# Altium PCB PCB.PcbDoc (part 2 of 4) (continued)
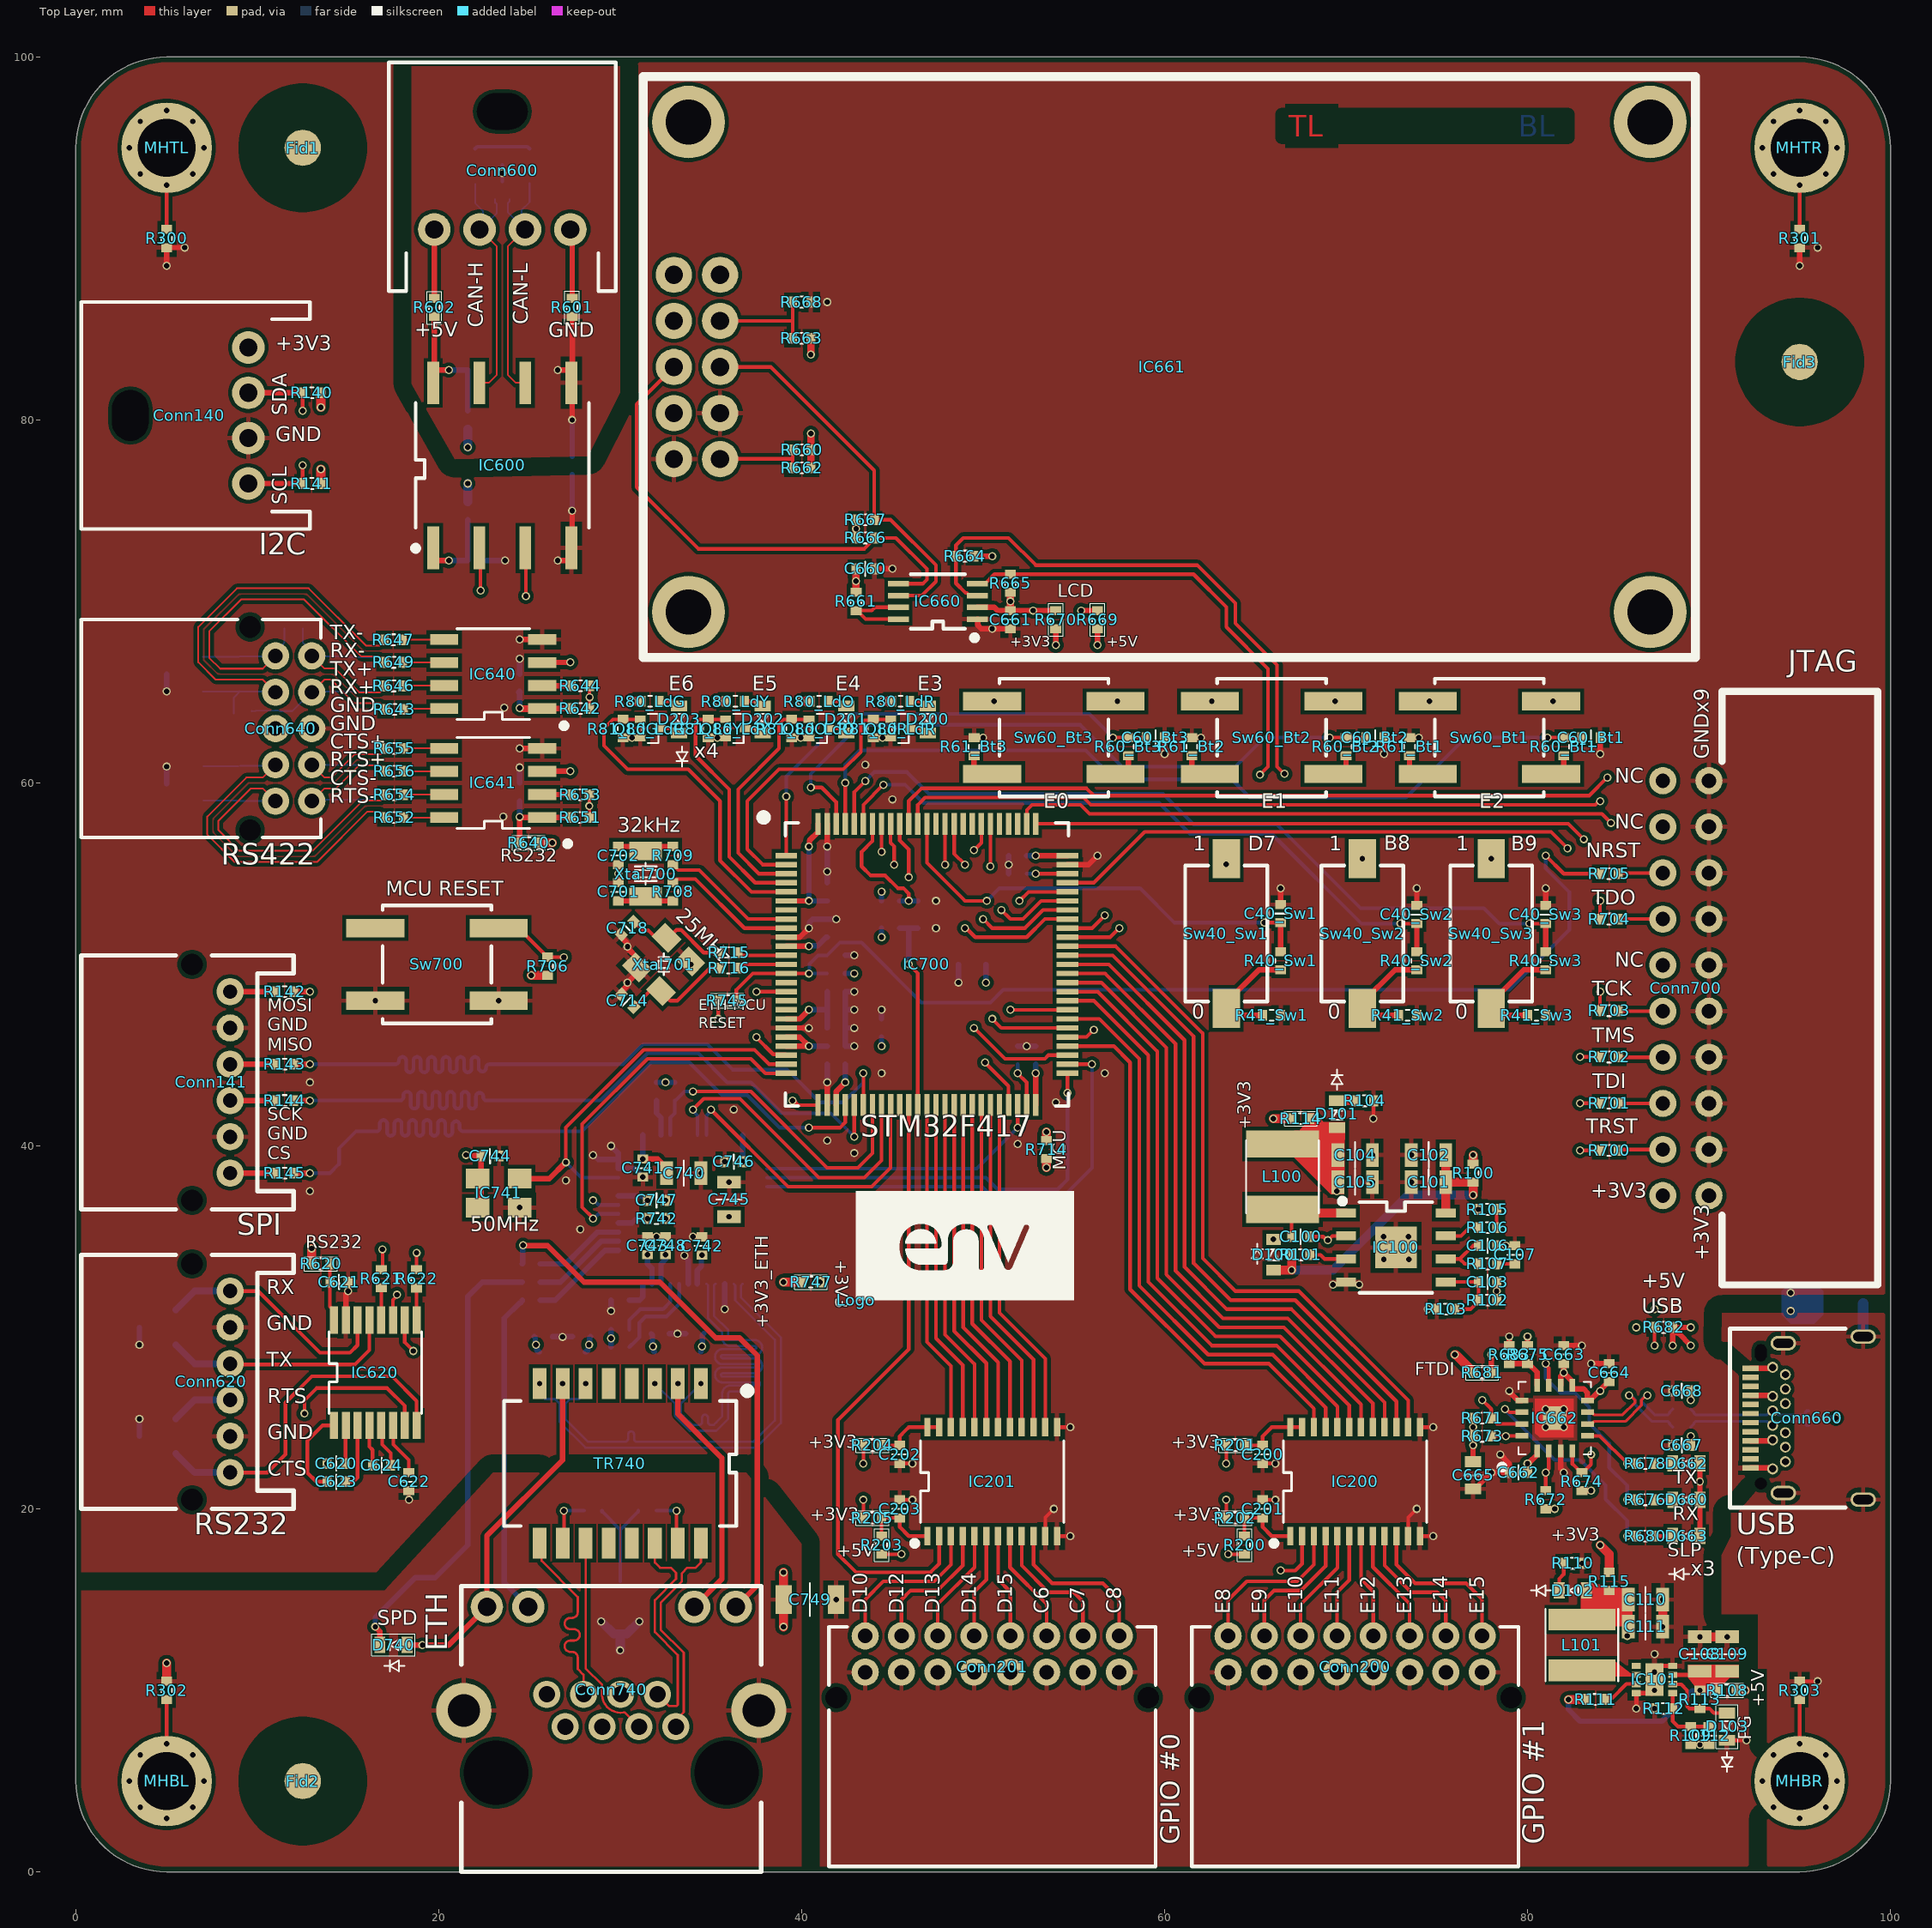
[diagram p0: Top Layer view]
## Part data (continued)
MHBL MHBR MHTL MHTR: "Mounting Hole", Component Category=Mechanical, Component Type="Mounting Hole"
Pin300 Pin301 Pin310 Pin311 Pin352 Pin353 Pin357 Pin358: "Pin, JST, SXA-001T-P0.6", Manufacturer=JST, Manufacturer Part Number=SXA-001T-P0.6, Operating Temperature, Max=*℃, Package=Housing, Supplier Part Number=455-1904-1-ND, Component Category=Connector, Component Type=PCB, ComponentLink1Description=Datasheet, ComponentLink1URL=C:\Users\Public\Documents\Altium\env\Datasheets\Connector\SPHD-001T-P0.5.pdf, ComponentLink2Description="Supplier Link", ComponentLink2URL=https://www.digikey.com/en/products/detail/jst-sales-america-inc/SXA-001T-P0-6/923775, Operating Temperature, Min=*℃, Price, Max=$0.01171, Price, Min=$0.01620, Quantity, Max=800,000, Quantity, Min=8,000, Supplier=Digikey, Supplier Currency=$, Supplier Link=https://www.digikey.com/en/products/detail/jst-sales-america-inc/SXA-001T-P0-6/923775
Pin302 Pin303 Pin304 Pin305 Pin306 Pin307 Pin308 Pin309 Pin312 Pin313 Pin314 Pin315 Pin316 Pin317 Pin318 Pin319 Pin320 Pin321 Pin322 Pin323 Pin324 Pin325 Pin326 Pin327 Pin328 Pin329 Pin330 Pin331 Pin332 Pin333 Pin334 Pin335 Pin336 Pin337 Pin338 Pin342 Pin343 Pin344 Pin348 Pin349 Pin350 Pin351: Manufacturer=JST, Manufacturer Part Number=SPND-001T-C0.5, Operating Temperature, Max=*℃, Supplier Part Number=455-2303-1-ND, Component Category=Connector, Component Type=PCB, ComponentLink1Description=Datasheet, ComponentLink1URL=C:\Users\Public\Documents\Altium\env\Datasheets\Connector\SPHD-001T-P0.5.pdf, ComponentLink2Description="Supplier Link", ComponentLink2URL=https://www.digikey.com/en/products/detail/jst-sales-america-inc/SPND-001T-C0-5/1788519, Operating Temperature, Min=*℃, Package=Pin, Price, Max=$*, Price, Min=$0.02410, Quantity, Min=1,000, Supplier=Digikey, Supplier Currency=$, Supplier Link=https://www.digikey.com/en/products/detail/jst-sales-america-inc/SPND-001T-C0-5/1788519
Pin339 Pin340 Pin341 Pin345 Pin346 Pin347 Pin354 Pin355 Pin356 Pin359 Pin360 Pin361: Manufacturer=JST, Manufacturer Part Number=SPHD-001T-P0.5, Operating Temperature, Max=*℃, Supplier Part Number=455-1325-1000-ND, Component Category=Connector, Component Type=PCB, ComponentLink1Description=Datasheet, ComponentLink1URL=C:\Users\Public\Documents\Altium\env\Datasheets\Connector\SPHD-001T-P0.5.pdf, ComponentLink2Description="Supplier Link", ComponentLink2URL=https://www.digikey.com/en/products/detail/jst-sales-america-inc/sphd-001t-p0-5/26212452, Operating Temperature, Min=*℃, Package=Pin, Price, Max=$*, Price, Min=$0.02410, Quantity, Min=1,000, Supplier=Digikey, Supplier Currency=$, Supplier Link=https://www.digikey.com/en/products/detail/jst-sales-america-inc/sphd-001t-p0-5/26212452
Q80_LdG Q80_LdO Q80_LdR Q80_LdY: "MOSFET, N-CH, 20V, 100mA, SOT-416FL", Current=100mA, Manufacturer=Rohm, Manufacturer Part Number=RE1C001UNTCL, Operating Temperature, Max=*℃, Package="SOT-416FL, SC-89", Supplier Part Number=RE1C001UNTCLCT-ND, Voltage=20V, Component Category=Transistor, Component Type=Mosfet, ComponentLink1Description=Datasheet, ComponentLink1URL="C:\Users\Public\Documents\Altium\env\Datasheets\Transistor\Rohm, RE1C001UN.pdf", ComponentLink2Description="Supplier Link", ComponentLink2URL=https://www.digikey.com/en/products/detail/rohm-semiconductor/RE1C001UNTCL/4004557, Operating Temperature, Min=*℃, Price, Max=$0.03713, Price, Min=$0.30000, Quantity, Max=15,000, Quantity, Min=1, Supplier=Digikey, Supplier Currency=$, Supplier Link=https://www.digikey.com/en/products/detail/rohm-semiconductor/RE1C001UNTCL/4004557
R40_Sw1 R40_Sw2 R40_Sw3 R60_Bt1 R60_Bt2 R60_Bt3 R104 R110 R113 R707: "Res, 1K, 1%, M1005", Manufacturer=Yageo, Manufacturer Part Number=RC0402FR-071KP, Operating Temperature, Max=+155℃, Operating Temperature, Min=-55℃, Package=M1005, Supplier Part Number=YAG1254CT-ND, Tolerance=1%, Component Category=Resistor, Component Type="Fixed Value", ComponentLink1Description=Datasheet, ComponentLink1URL="C:\Users\Public\Documents\Altium\env\Datasheets\Resistor\Yageo - RC_L Series.pdf", ComponentLink2Description="Supplier Link", ComponentLink2URL=https://www.digikey.com/en/products/detail/yageo/RC0402FR-071KP/4935269, Price, Max=$0.00306, Price, Min=$0.10000, Quantity, Max=10,000, Quantity, Min=1, Supplier=Digikey, Supplier Currency=$, Supplier Link=https://www.digikey.com/en/products/detail/yageo/RC0402FR-071KP/4935269
R41_Sw1 R41_Sw2 R41_Sw3 R61_Bt1 R61_Bt2 R61_Bt3 R81_LdG R81_LdO R81_LdR R81_LdY R112: "Res, 100K, 1%, M1005", Manufacturer=Yageo, Manufacturer Part Number=RC0402FR-07100KP, Operating Temperature, Max=+155℃, Operating Temperature, Min=-55℃, Package=M1005, Supplier Part Number=13-RC0402FR-07100KPCT-ND, Tolerance=1%, Component Category=Resistor, Component Type="Fixed Value", ComponentLink1Description=Datasheet, ComponentLink1URL="C:\Users\Public\Documents\Altium\env\Datasheets\Resistor\Yageo - RC_L Series.pdf", ComponentLink2Description="Supplier Link", ComponentLink2URL=https://www.digikey.com/en/products/detail/yageo/RC0402FR-07100KP/12698883, Price, Max=$0.00306, Price, Min=$0.12000, Quantity, Max=10,000, Quantity, Min=1, Supplier=Digikey, Supplier Currency=$, Supplier Link=https://www.digikey.com/en/products/detail/yageo/RC0402FR-07100KP/12698883
R80_LdG R80_LdO R80_LdR R80_LdY R142 R143 R144 R145 R621 R622 R644 R653 R660 R662 R676 R678 R680 R751 R752 R755: "Res, 330R, 1%, M1005", Manufacturer=Yageo, Manufacturer Part Number=RC0402FR-07330RL, Operating Temperature, Max=+155℃, Operating Temperature, Min=-55℃, Package=M1005, Supplier Part Number=311-330LRCT-ND, Tolerance=1%, Component Category=Resistor, Component Type="Fixed Value", ComponentLink1Description=Datasheet, ComponentLink1URL="C:\Users\Public\Documents\Altium\env\Datasheets\Resistor\Yageo - RC_L Series.pdf", ComponentLink2Description="Supplier Link", ComponentLink2URL=https://www.digikey.com/en/products/detail/yageo/RC0402FR-07330RL/726594, Price, Max=$0.00181, Price, Min=$0.10000, Quantity, Max=250,000, Quantity, Min=1, Supplier=Digikey, Supplier Currency=$, Supplier Link=https://www.digikey.com/en/products/detail/yageo/RC0402FR-07330RL/726594
R100 R108 R111 R114 R115 R200 R201 R202 R203 R204 R205 R300 R301 R302 R303 R600 R601 R602 R603 R604 R620 R640 R657 R658 R669 R670 R681 R682 R708 R709 R710 R711 R712 R713 R714 R715 R716 R745 R747: Manufacturer=Yageo, Manufacturer Part Number=RC0402FR-070RL, Operating Temperature, Max=+155℃, Operating Temperature, Min=-55℃, Package=M1005, Supplier Part Number=311-0.0LRCT-ND, Component Category=Resistor, Component Type="Fixed Value", ComponentLink1Description=Datasheet, ComponentLink1URL="C:\Users\Public\Documents\Altium\env\Datasheets\Resistor\Yageo - RC_L Series.pdf", ComponentLink2Description="Supplier Link", ComponentLink2URL=https://www.digikey.com/en/products/detail/yageo/RC0402FR-070RL/2827570, Price, Max=$0.00133, Price, Min=$0.10000, Quantity, Max=250000, Quantity, Min=1, Supplier=Digikey, Supplier Currency=$, Supplier Link=https://www.digikey.com/en/products/detail/yageo/RC0402FR-070RL/2827570
R101: "Res, 150K, 1%, M1005", Manufacturer=Yageo, Manufacturer Part Number=RC0402FR-07150KL, Operating Temperature, Max=+155℃, Operating Temperature, Min=-55℃, Package=M1005, Supplier Part Number=311-150KLRCT-ND, Tolerance=1%, Component Category=Resistor, Component Type="Fixed Value", ComponentLink1Description=Datasheet, ComponentLink1URL="C:\Users\Public\Documents\Altium\env\Datasheets\Resistor\Yageo - RC_L Series.pdf", ComponentLink2Description="Supplier Link", ComponentLink2URL=https://www.digikey.com/en/products/detail/yageo/RC0402FR-07150KL/726542, Price, Max=$0.00181, Price, Min=$0.11000, Quantity, Max=250,000, Quantity, Min=1, Supplier=Digikey, Supplier Currency=$, Supplier Link=https://www.digikey.com/en/products/detail/yageo/RC0402FR-07150KL/726542
R102: "Res, 75K, 1%, M1005", Manufacturer=Yageo, Manufacturer Part Number=RC0402FR-0775KL, Operating Temperature, Max=+155℃, Operating Temperature, Min=-55℃, Package=M1005, Supplier Part Number=311-75KLRCT-ND, Tolerance=1%, Component Category=Resistor, Component Type="Fixed Value", ComponentLink1Description=Datasheet, ComponentLink1URL="C:\Users\Public\Documents\Altium\env\Datasheets\Resistor\Yageo - RC_L Series.pdf", ComponentLink2Description="Supplier Link", ComponentLink2URL=https://www.digikey.com/en/products/detail/yageo/RC0402FR-0775KL/2827576, Price, Max=$0.00181, Price, Min=$0.10000, Quantity, Max=250,000, Quantity, Min=1, Supplier=Digikey, Supplier Currency=$, Supplier Link=https://www.digikey.com/en/products/detail/yageo/RC0402FR-0775KL/2827576
R103: "Res, 24K, 1%, M1005", Manufacturer=Yageo, Manufacturer Part Number=RC0402FR-0724KL, Operating Temperature, Max=+155℃, Operating Temperature, Min=-55℃, Package=M1005, Supplier Part Number=311-24KLRCT-ND, Tolerance=1%, Component Category=Resistor, Component Type="Fixed Value", ComponentLink1Description=Datasheet, ComponentLink1URL="C:\Users\Public\Documents\Altium\env\Datasheets\Resistor\Yageo - RC_L Series.pdf", ComponentLink2Description="Supplier Link", ComponentLink2URL=https://www.digikey.com/en/products/detail/yageo/RC0402FR-0724KL/2827581, Price, Max=$0.00153, Price, Min=$0.10000, Quantity, Max=20,000, Quantity, Min=1, Supplier=Digikey, Supplier Currency=$, Supplier Link=https://www.digikey.com/en/products/detail/yageo/RC0402FR-0724KL/2827581
R105 R106: "Res, 56K, 1%, M1005", Manufacturer=Yageo, Manufacturer Part Number=RC0402FR-0756KL, Operating Temperature, Max=+155℃, Operating Temperature, Min=-55℃, Package=M1005, Supplier Part Number=311-56.0KLRCT-ND, Tolerance=1%, Component Category=Resistor, Component Type="Fixed Value", ComponentLink1Description=Datasheet, ComponentLink1URL="C:\Users\Public\Documents\Altium\env\Datasheets\Resistor\Yageo - RC_L Series.pdf", ComponentLink2Description="Supplier Link", ComponentLink2URL=https://www.digikey.com/en/products/detail/yageo/RC0402FR-0756KL/726635, Price, Max=$0.00181, Price, Min=$0.10000, Quantity, Max=250,000, Quantity, Min=1, Supplier=Digikey, Supplier Currency=$, Supplier Link=https://www.digikey.com/en/products/detail/yageo/RC0402FR-0756KL/726635
R107: "Res, 16K, 1%, M1005", Manufacturer=Yageo, Manufacturer Part Number=RC0402FR-0716KL, Operating Temperature, Max=+155℃, Operating Temperature, Min=-55℃, Package=M1005, Supplier Part Number=311-16.0KLRCT-ND, Tolerance=1%, Component Category=Resistor, Component Type="Fixed Value", ComponentLink1Description=Datasheet, ComponentLink1URL="C:\Users\Public\Documents\Altium\env\Datasheets\Resistor\Yageo - RC_L Series.pdf", ComponentLink2Description="Supplier Link", ComponentLink2URL=https://www.digikey.com/en/products/detail/yageo/RC0402FR-0716KL/726544, Price, Max=$0.00127, Price, Min=$0.10000, Quantity, Max=10,000, Quantity, Min=1, Supplier=Digikey, Supplier Currency=$, Supplier Link=https://www.digikey.com/en/products/detail/yageo/RC0402FR-0716KL/726544
R109: "Res, 453K, 1%, M1005", Manufacturer=Yageo, Manufacturer Part Number=RC0402FR-07453KL, Operating Temperature, Max=+155℃, Operating Temperature, Min=-55℃, Package=M1005, Supplier Part Number=YAG3164CT-ND, Tolerance=1%, Component Category=Resistor, Component Type="Fixed Value", ComponentLink1Description=Datasheet, ComponentLink1URL="C:\Users\Public\Documents\Altium\env\Datasheets\Resistor\Yageo - RC_L Series.pdf", ComponentLink2Description="Supplier Link", ComponentLink2URL=https://www.digikey.com/en/products/detail/yageo/RC0402FR-07453KL/5281024, Price, Max=$0.00127, Price, Min=$0.10000, Quantity, Max=10,000, Quantity, Min=1, Supplier=Digikey, Supplier Currency=$, Supplier Link=https://www.digikey.com/en/products/detail/yageo/RC0402FR-07453KL/5281024
R140 R141 R740 R741 R743 R744: "Res, 2.2K, 1%, M1005", Manufacturer=Yageo, Manufacturer Part Number=RC0402FR-072K2L, Operating Temperature, Max=+155℃, Operating Temperature, Min=-55℃, Package=M1005, Supplier Part Number=311-2.20KLRCT-ND, Tolerance=1%, Component Category=Resistor, Component Type="Fixed Value", ComponentLink1Description=Datasheet, ComponentLink1URL="C:\Users\Public\Documents\Altium\env\Datasheets\Resistor\Yageo - RC_L Series.pdf", ComponentLink2Description="Supplier Link", ComponentLink2URL=https://www.digikey.com/en/products/detail/yageo/RC0402FR-072K2L/726553, Price, Max=$0.00181, Price, Min=$0.10000, Quantity, Max=70,000, Quantity, Min=1, Supplier=Digikey, Supplier Currency=$, Supplier Link=https://www.digikey.com/en/products/detail/yageo/RC0402FR-072K2L/726553
R605 R606 R641 R645 R648 R650: "Res, 60.4R, 1%, M2012", Manufacturer=Yageo, Manufacturer Part Number=RC0805FR-0760R4L, Operating Temperature, Max=+155℃, Operating Temperature, Min=-55℃, Package=M2012, Supplier Part Number=311-60.4CRCT-ND, Tolerance=1%, Component Category=Resistor, Component Type="Fixed Value", ComponentLink1Description=Datasheet, ComponentLink1URL="C:\Users\Public\Documents\Altium\env\Datasheets\Resistor\Yageo - RC_L Series.pdf", ComponentLink2Description="Supplier Link", ComponentLink2URL=https://www.digikey.com/en/products/detail/yageo/RC0805FR-0760R4L/728073, Price, Max=$0.00357, Price, Min=$0.10000, Quantity, Max=10,000, Quantity, Min=1, Supplier=Digikey, Supplier Currency=$, Supplier Link=https://www.digikey.com/en/products/detail/yageo/RC0805FR-0760R4L/728073
R642 R651 R663 R664 R665 R666 R667 R668 R683 R706 R742: "Res, 10K, 1%, M1005", Manufacturer=Yageo, Manufacturer Part Number=RC0402FR-0710KP, Operating Temperature, Max=+155℃, Operating Temperature, Min=-55℃, Package=M1005, Supplier Part Number=YAG1249CT-ND, Tolerance=1%, Component Category=Resistor, Component Type="Fixed Value", ComponentLink1Description=Datasheet, ComponentLink1URL="C:\Users\Public\Documents\Altium\env\Datasheets\Resistor\Yageo - RC_L Series.pdf", ComponentLink2Description="Supplier Link", ComponentLink2URL=https://www.digikey.com/en/products/detail/yageo/RC0402FR-0710KP/4935264, Price, Max=$0.00359, Price, Min=$0.11000, Quantity, Max=250,000, Quantity, Min=1, Supplier=Digikey, Supplier Currency=$, Supplier Link=https://www.digikey.com/en/products/detail/yageo/RC0402FR-0710KP/4935264
R643 R646 R647 R649 R652 R654 R655 R656 R677 R679 R700 R701 R702 R703 R704 R705: "Res, 22R, 1%, M1005", Manufacturer=Yageo, Manufacturer Part Number=RC0402FR-0722RL, Operating Temperature, Max=+155℃, Operating Temperature, Min=-55℃, Package=M1005, Supplier Part Number=311-22.0LRCT-ND, Tolerance=1%, Component Category=Resistor, Component Type="Fixed Value", ComponentLink1Description=Datasheet, ComponentLink1URL="C:\Users\Public\Documents\Altium\env\Datasheets\Resistor\Yageo - RC_L Series.pdf", ComponentLink2Description="Supplier Link", ComponentLink2URL=https://www.digikey.com/en/products/detail/yageo/RC0402FR-0722RL/726562, Price, Max=$0.00181, Price, Min=$0.10000, Quantity, Max=70,000, Quantity, Min=1, Supplier=Digikey, Supplier Currency=$, Supplier Link=https://www.digikey.com/en/products/detail/yageo/RC0402FR-0722RL/726562
R661: "Res, 200K, 1%, M1005", Manufacturer=Yageo, Manufacturer Part Number=RC0402FR-07200KL, Operating Temperature, Max=+155℃, Operating Temperature, Min=-55℃, Package=M1005, Supplier Part Number=311-200KLRCT-ND, Tolerance=1%, Component Category=Resistor, Component Type="Fixed Value", ComponentLink1Description=Datasheet, ComponentLink1URL="C:\Users\Public\Documents\Altium\env\Datasheets\Resistor\Yageo - RC_L Series.pdf", ComponentLink2Description="Supplier Link", ComponentLink2URL=https://www.digikey.com/en/products/detail/yageo/RC0402FR-07200KL/726558, Supplier=Digikey, Supplier Currency=$, Supplier Link=https://www.digikey.com/en/products/detail/yageo/RC0402FR-07200KL/726558
R671 R672 R673 R674 R675: "Res, 4.7K, 1%, M1005", Manufacturer=Yageo, Manufacturer Part Number=RC0402FR-074K7L, Operating Temperature, Max=+155℃, Operating Temperature, Min=-55℃, Package=M1005, Supplier Part Number=311-4.7KLRCT-ND, Tolerance=1%, Component Category=Resistor, Component Type="Fixed Value", ComponentLink1Description=Datasheet, ComponentLink1URL="C:\Users\Public\Documents\Altium\env\Datasheets\Resistor\Yageo - RC_L Series.pdf", ComponentLink2Description="Supplier Link", ComponentLink2URL=https://www.digikey.com/en/products/detail/yageo/RC0402FR-074K7L/2827563, Price, Max=$0.00204, Price, Min=$0.10000, Quantity, Max=10,000, Quantity, Min=1, Supplier=Digikey, Supplier Currency=$, Supplier Link=https://www.digikey.com/en/products/detail/yageo/RC0402FR-074K7L/2827563
R746: "Res, 4.87K, 1%, M1005", Manufacturer=Yageo, Manufacturer Part Number=RC0402FR-074K87L, Operating Temperature, Max=+155℃, Operating Temperature, Min=-55℃, Package=M1005, Supplier Part Number=YAG3175CT-ND, Tolerance=1%, Component Category=Resistor, Component Type="Fixed Value", ComponentLink1Description=Datasheet, ComponentLink1URL="C:\Users\Public\Documents\Altium\env\Datasheets\Resistor\Yageo - RC_L Series.pdf", ComponentLink2Description="Supplier Link", ComponentLink2URL=https://www.digikey.com/en/products/detail/yageo/RC0402FR-074K87L/5281035, Price, Max=$0.00181, Price, Min=$0.10000, Quantity, Max=70,000, Quantity, Min=1, Supplier=Digikey, Supplier Currency=$, Supplier Link=https://www.digikey.com/en/products/detail/yageo/RC0402FR-074K87L/5281035
R753 R754 R756 R757: "Res, 51R, 1%, M1005", Manufacturer=Yageo, Manufacturer Part Number=RC0402FR-0751RL, Operating Temperature, Max=+155℃, Operating Temperature, Min=-55℃, Package=M1005, Supplier Part Number=311-51.0LRCT-ND, Tolerance=1%, Component Category=Resistor, Component Type="Fixed Value", ComponentLink1Description=Datasheet, ComponentLink1URL="C:\Users\Public\Documents\Altium\env\Datasheets\Resistor\Yageo - RC_L Series.pdf", ComponentLink2Description="Supplier Link", ComponentLink2URL=https://www.digikey.com/en/products/detail/yageo/RC0402FR-0751RL/726629, Price, Max=$0.00181, Price, Min=$0.10000, Quantity, Max=70,000, Quantity, Min=1, Supplier=Digikey, Supplier Currency=$, Supplier Link=https://www.digikey.com/en/products/detail/yageo/RC0402FR-0751RL/726629
R758 R759: "Res, 75R, 1%, M1005", Manufacturer=Yageo, Manufacturer Part Number=RC0402FR-0775RL, Operating Temperature, Max=+155℃, Operating Temperature, Min=-55℃, Package=M1005, Supplier Part Number=311-75.0LRCT-ND, Tolerance=1%, Component Category=Resistor, Component Type="Fixed Value", ComponentLink1Description=Datasheet, ComponentLink1URL="C:\Users\Public\Documents\Altium\env\Datasheets\Resistor\Yageo - RC_L Series.pdf", ComponentLink2Description="Supplier Link", ComponentLink2URL=https://www.digikey.com/en/products/detail/yageo/RC0402FR-0775RL/726658, Price, Max=$0.00306, Price, Min=$0.12000, Quantity, Max=10,000, Quantity, Min=1, Supplier=Digikey, Supplier Currency=$, Supplier Link=https://www.digikey.com/en/products/detail/yageo/RC0402FR-0775RL/726658
Sw40_Sw1 Sw40_Sw2 Sw40_Sw3: "Switch, Slide, SPST, SMD", Manufacturer=C&K, Manufacturer Part Number=SDA01H1SBD, Operating Temperature, Max=+85℃, Operating Temperature, Min=-40℃, Package=SMD, Supplier Part Number=CKN10358-ND, Component Category=Switch, Component Type=Slide, ComponentLink1Description=Datasheet, ComponentLink1URL="C:\Users\Public\Documents\Altium\env\Datasheets\Switch\Slide, SPST - C&K, SDA Series.pdf", ComponentLink2Description="Supplier Link", ComponentLink2URL=https://www.digikey.com/en/products/detail/c-k/SDA01H1SBD/2263273, Price, Max=$0.92375, Price, Min=$1.71000, Quantity, Max=5,000, Quantity, Min=1, Supplier=Digikey, Supplier Currency=$, Supplier Link=https://www.digikey.com/en/products/detail/c-k/SDA01H1SBD/2263273
Sw60_Bt1 Sw60_Bt2 Sw60_Bt3 Sw700: "Switch, Tactile, SPST, SMD", Manufacturer=Panasonic, Manufacturer Part Number=EVQ-Q2K03W, Operating Temperature, Max=+85℃, Operating Temperature, Min=-40℃, Package=SMD, Supplier Part Number=P12943SCT-ND, Component Category=Switch, Component Type=Tactile, ComponentLink1Description=Datasheet, ComponentLink1URL="C:\Users\Public\Documents\Altium\env\Datasheets\Switch\Tactile, SPST - Panasonic, EVQP0, EVQQ2, EVQ6Q2, EVQ7Q2, EVPBT Series.pdf", ComponentLink2Description="Supplier Link", ComponentLink2URL=https://www.digikey.com/en/products/detail/panasonic-electronic-components/EVQ-Q2K03W/762893, Price, Max=$0.13296, Price, Min=$0.29000, Quantity, Max=50,000, Quantity, Min=1, Supplier=Digikey, Supplier Currency=$, Supplier Link=https://www.digikey.com/en/products/detail/panasonic-electronic-components/EVQ-Q2K03W/762893
TR740: "Transformer, Eth, 100Mbps, SM13126PEL", Manufacturer=Bourns, Manufacturer Part Number=SM13126PEL, Operating Temperature, Max=+85℃, Operating Temperature, Min=-40℃, Package="SMD, 12.8x6.9 mm", Supplier Part Number=SM13126PELCT-ND, Component Category=Transformer, Component Type=Pulse, ComponentLink1Description=Datasheet, ComponentLink1URL="C:\Users\Public\Documents\Altium\env\Datasheets\Transformer\Transformer, Pulse - Bourns, SM51108PEL.pdf", ComponentLink2Description="Supplier Link", ComponentLink2URL=https://www.digikey.com/en/products/detail/bourns-inc/SM13126PEL/10229989, Supplier=Digikey, Supplier Currency=$, Supplier Link=https://www.digikey.com/en/products/detail/bourns-inc/SM13126PEL/10229989
TVS620 TVS621 TVS640 TVS641 TVS642 TVS643: "TVS, 2P, Bidirectional, 7V/12V, SOT-23-3", Manufacturer=Bourns, Manufacturer Part Number=CDSOT23-SM712, Operating Temperature, Max=+150℃, Operating Temperature, Min=-55℃, Package=SOT-23-3, Supplier Part Number=CDSOT23-SM712CT-ND, Voltage, Break Down=7.5V...13.3V, Voltage, Stand OFF=7V...12V, Component Category=Diode, Component Type=TVS, ComponentLink1Description=Datasheet, ComponentLink1URL="C:\Users\Public\Documents\Altium\env\Datasheets\Diode\Bourns, CDSOT23-SM712.pdf", ComponentLink2Description="Supplier Link", ComponentLink2URL=https://www.digikey.com/en/products/detail/bourns-inc/CDSOT23-SM712/1630592, Price, Max=$0.25000, Price, Min=$, Quantity, Max=15,000, Quantity, Min=1, Supplier=Digikey, Supplier Currency=$, Supplier Link=https://www.digikey.com/en/products/detail/bourns-inc/CDSOT23-SM712/1630592
Xtal700: "XTAL, 32.768kHz, 12.5pF", Frequency=32.768kHz, Manufacturer=NDK, Manufacturer Part Number=NX3215SA-32.768K-STD-MUS-2, Operating Temperature, Max=+125*℃, Operating Temperature, Min=-40*℃, Package=SMD, Supplier Part Number=644-1159-1-ND, Component Category=Crystal, Component Type=Crystal, ComponentLink1Description=Datasheet, ComponentLink1URL="C:\Users\Public\Documents\Altium\env\Datasheets\Crystal\NDK, NX3215SA.pdf", ComponentLink2Description="Supplier Link", ComponentLink2URL=https://www.digikey.com/en/products/detail/ndk-america-inc/NX3215SA-32-768K-STD-MUS-2/2349033, Price, Max=$0.34424, Price, Min=$0.63000, Quantity, Max=21,000, Quantity, Min=1, Supplier=Digikey, Supplier Currency=$, Supplier Link=https://www.digikey.com/en/products/detail/ndk-america-inc/NX3215SA-32-768K-STD-MUS-2/2349033
Xtal701: "XTAL, 25MHz, 12pF", Frequency=25MHz, Manufacturer=Kyocera, Manufacturer Part Number=CX3225SB25000H0FLJCC, Operating Temperature, Max=+85℃, Operating Temperature, Min=-30℃, Package=SMD, Supplier Part Number=478-CX3225SB25000H0FLJCCCT-ND, Component Category=Crystal, Component Type=Crystal, ComponentLink1Description=Datasheet, ComponentLink1URL="C:\Users\Public\Documents\Altium\env\Datasheets\Crystal\Kyocera, CX3225SB.pdf", ComponentLink2Description="Supplier Link", ComponentLink2URL=https://www.digikey.com/en/products/detail/kyocera-avx/cx3225sb25000h0fljcc/6123312, Price, Max=$0.36682, Price, Min=$0.66000, Quantity, Max=21,000, Quantity, Min=1, Supplier=Digikey, Supplier Currency=$, Supplier Link=https://www.digikey.com/en/products/detail/kyocera-avx/cx3225sb25000h0fljcc/6123312
Fid1 Fid2 Fid3: Component Category=Mechanical, Component Type=Fiducial
Logo: Component Category=Mechanical, Component Type=Logo

## Via types
v1: diameter 0.45, hole 0.3, Top Layer to Bottom Layer, 341 vias
v2: diameter 0.45, hole 0.3, Top Layer to Bottom Layer, tented top, 16 vias
v3: diameter 0.45, hole 0.3, Top Layer to Bottom Layer, tented bottom, 5 vias

## Nets (pads, with @x,y where several pads share a name; then routed paths per layer and width w, separated by ;. In a path a pad name is that pad's centre, name@x,y a point inside that pad or via, vN(x,y) a via of type N, cw(c..) or ccw(c..) an arc to the next point about the centre after c; other vN are vias at no path point)
+3V3: Conn140.1 Conn700.1 Conn700.2 R80_LdG.2 R80_LdO.2 R80_LdR.2 R80_LdY.2 R114.2 R115.2 R140.1 R141.1 R201.2 R202.1 R204.2 R205.1 R600.1 R620.1 R640.1 R670.1 R681.2 R706.1 R714.1 R747.1 Sw40_Sw1.A Sw40_Sw2.A Sw40_Sw3.A Sw60_Bt1.A Sw60_Bt2.A Sw60_Bt3.A | length 16.7
  Top Layer w0.2: R205.1@43.4,19.5 v1(43.4,20.5) ; v1(43.4,22.5) R204.2@43.4,23.5 ; R202.1@63.4,19.5 v1(63.4,20.5) ; v1(63.4,22.5) R201.2@63.4,23.5
  Top Layer w0.3: v1(54,67.6) R670.1@54,68.5
  Top Layer w0.5: R620.1@13,33.496 v1(13,34.346) ; R141.1@13.5,76.5 v1(13.5,77.3) ; v1(13.5,80.7) R140.1@13.5,81.5 ; v1(25.1,49.4) R706.1@26,49.4 ; R640.1@25.45,56.7 v1(26.25,56.7) ; v1(30.65,64.5) R80_LdG.2@31.15,64.5 ; v1(35.35,64.5) R80_LdY.2@35.85,64.5 ; v1(39.95,64.5) R80_LdO.2@40.45,64.5 ; v1(44.45,64.5) R80_LdR.2@44.95,64.5 ; v1(53.488,38.8) R714.1@53.488,39.3 ; v1(66,41.5) R114.2@67,41.5 ; v1(76,28.5) 76.05,28.5 77,27.55 R681.2@77,27.5 ; v1(84,18) 84.5,17.5 R115.2@84.5,16.5
  Bottom Layer w0.5: R600.1@21.6,75.5 v1(21.6,76.5)
  other v1: 41,32.5 63.4,55.525 70.9,55.825 78,55.825 50.6,64.5 57.4,64.5 62.6,64.5 69.4,64.5 74.6,64.5 81.4,64.5
+3V3_AP: C110.1 C111.1 C112.1 D102.A L101.2 R109.2 R115.1 | length 10
  Layer 3 w0.3: v1(85.5,13) 85.5,9.7 85.154,9.354 85.154,8.646 85.525,8.275 88.975,8.275 89.5,7.75 v1(89.5,7)
+3V3_ETH: C744.2 C745.1 C746.1 C747.1 C748.1 C750.1 C752.1 C753.1 C754.1 Conn740.L1-A Conn740.L2-A D740.A IC740.22 IC740.32 IC740.48 IC741.EN IC741.VDD R740.1 R741.1 R742.1 R743.1 R744.1 R747.2 R753.2 R754.1 R756.2 R757.1 TR740.2 TR740.7 | length 48.7
  Top Layer w0.3: D740.A@18.25,12.5 v1(19.1,12.5) 20.546,12.5 Conn740.L1-A@22.65,14.604 22.65,18.514 26.825,22.689 v1(26.825,26.9) ; v1(21.5,39.5) 21.529,39.471 22.292,39.471 C744.2@22.322,39.441 IC741.EN@22.322,36.8 ; v1(33.175,26.9) 33.175,25.225 35.6,22.8 35.6,16.124 Conn740.L2-A@34.08,14.604
  Top Layer w0.5: v1(39,32.5) R747.2@40,32.5
  Bottom Layer w0.3: C754.1@25.264,29.498 25.321,29.44 25.321,29.079 v1(25.35,29.05) 25.35,29.009 25.4,28.959 25.4,28.75 25.5,28.65 R757.1@25.55,28.65 ; R756.2@28.077,28.65 28.127,28.65 28.227,28.75 28.227,28.959 28.277,29.009 v1(28.277,29.05) 28.306,29.079 28.306,29.44 C752.1@28.364,29.498 ; R743.1@29.5,28.925 R744.1@29.5,29.875 ; IC740.32@29.9,37.25 31.209,37.25 31.459,37 v1(31.5,37) ; C750.1@31.702,29.649 31.771,29.579 31.771,28.979 v3(31.8,28.95) 31.829,28.921 31.829,28.697 R754.1@31.876,28.65 ; R741.1@32,43.5 v1(32.5,43.5) R740.1@33,43.5 ; IC740.22@32.25,32.4 32.25,33.5 32.5,33.75 v1(32.5,34) ; R753.2@34.419,28.65 34.47,28.701 34.47,28.923 v3(34.498,28.951) 34.527,28.98 34.527,29.577 C753.1@34.6,29.65 ; IC740.48@36.75,40.6 36.75,39.135 v1(36.755,39.129)
  other v1: 29.5,29.4 32.5,36 36,36.1
+3V3_FTDI: C662.2 C663.2 C664.2 C665.1 D660.A D662.A D663.A IC662.1 IC662.8 IC662.9 IC662.10 R671.2 R672.2 R673.2 R674.2 R681.1 | length 14.9
  Top Layer w0.3: C665.1@77,22.6 R673.2@77,24 R671.2@77,25 ; R681.1@78,27.5 v1(78,28.5) ; C662.2@80,22 v1(80,22.5) 80.029,22.529 80.074,22.529 80.525,22.98 IC662.1@80.525,23.19 ; R672.2@81,20 v1(81.5,20) ; IC662.10@81.825,26.81 81.825,27.306 82,27.481 v2@82,27.495 ; C663.2@82,28 v2(82,27.5) v2@82,27.495 ; R674.2@83,21 v1(83.5,21) ; IC662.8@83.31,25.975 83.3,25.975 83.3,26.4 83.1,26.6 82.475,26.6 IC662.9@82.475,26.81 82.475,27.02 v2@82,27.495 ; IC662.8@83.52,26.07 84.45,27 C664.2@84.5,27 ; D663.A@89.5,18.5 D660.A@89.5,20.5 v1(89.5,21.5) D662.A@89.5,22.5
  other v1: 77,24.5 84,26.5
  other v2: 77,23.5
+3V3_LCD: C661.2 IC660.2 R664.1 R665.1 R670.2 | length 10.9
  Top Layer w0.3: R664.1@49.5,72.5 v1(50.5,72.5) ; IC660.2@49.675,69.675 50.612,69.675 50.788,69.5 C661.2@51.5,69.5 v1(52.75,69.5) R670.2@54,69.5
  Top Layer w0.4: C661.2@51.5,69.5 v1(51.5,70) R665.1@51.5,70.5
  Layer 3 w0.3: v1(50.5,72.5) 51.5,72.5 52.75,71.25 v1(52.75,69.5)
+3V3_RT: C103.1 C104.1 C105.1 D101.A L100.2 R102.2 R114.1 | length 13
  Top Layer w0.2: R102.2@78.3,31.5 C103.1@78.3,32.5
  Layer 3 w0.5: v1(69.5,37.5) 70.8,37.5 72.617,35.683 76.117,35.683 78.3,33.5 v1(78.3,32)
+5V: R100.1 R108.1 R200.1 R203.1 R603.1 R669.1 R675.2 R682.1 | length 6.4
  Top Layer w0.2: R203.1@44.403,17.5 v1(45.5,17.5) ; v1(63.5,17.5) R200.1@64.4,17.5 ; v1(87,29) R682.1@87,30
  Top Layer w0.3: v1(56.3,67.6) R669.1@56.3,68.5 ; R675.2@80,29 v1(80,29.5)
  Top Layer w0.5: R100.1@77,39 v1(77,39.5) ; R108.1@91.5,10 v1(92,10)
  Bottom Layer w0.5: v1(21.6,78.5) R603.1@21.6,79.5
  other v1: 86,30
  other v2: 87,31
+5V_AP: C108.1 C109.1 IC101.3 R108.2 R111.1 R113.1 | length 10.9
  Top Layer w0.25: IC101.3@88,10.85 C108.1@89.078,10.85
  Top Layer w0.3: C108.1@89.078,10.85 C108.1@89.091,10.863
  Top Layer w0.5: v1(82.25,9.5) R111.1@83.25,9.5
  Bottom Layer w0.3: v1(82.25,9.5) 82.25,8.95 82.9,8.3 87.4,8.3 89.071,9.971 89.471,9.971 v1(89.5,10)
+5V_LCD: C660.2 IC661.VDD R660.1 R661.2 R662.1 R663.1 R666.1 R667.1 R669.2 | length 6
  Top Layer w0.3: v1(55.4,69.5) R669.2@56.3,69.5
  Top Layer w0.4: v1(40.5,83.6) R663.1@40.5,84.5 ; R662.1@40.504,77.359 R660.1@40.504,78.359 v1(40.504,79.259) ; R661.2@43,70.5 C660.2@43,71.8 ; R666.1@43,73.5 v1(43,74) R667.1@43,74.5
  other v2: 42.998,71.127
+5V_RT: C101.1 C102.1 D100.A IC100.8-VIN R100.2 R101.2 | length 19
  Top Layer w0.5: D100.A@66,33.15 v2(67,33.15) ; v2(67,33.15) R101.2@67,34 ; IC100.8-VIN@75.5,36.31 C101.1@75.5,38 ; C102.1@75.5,39.5 C101.1@75.5,38 ; v1(77,37.3) R100.2@77,38 C101.1@75.5,38
  Bottom Layer w0.5: v2(67,33.15) 69.276,33.15 73.426,37.3 v1(77,37.3)
AB_N: Conn640.1 R641.2 R646.2 R658.1 TVS642.D1 | length 10.2
  Top Layer w0.097: Conn640.1@13,67 13.698,66.302 14.299,66.302 15.61,64.992 16.754,64.992 16.81,65.048 16.81,65.142 R646.2@17.012,65.344
  Bottom Layer w0.097: R658.1@12.5,68.5 12.5,67.74 13,67.24 Conn640.1@13,67 13.025,66.975 R641.2@14.975,66.975 ; R641.2@15.015,66.935 TVS642.D1@16.485,66.935
AB_P: Conn640.3 R641.1 R643.2 R657.1 TVS642.D2 | length 12.3
  Top Layer w0.097: Conn640.3@13,65 13.698,65.698 14.048,65.698 15.359,64.387 16.792,64.387 16.848,64.33 16.848,64.252 R643.2@17.05,64.05
  Bottom Layer w0.097: R657.1@9.701,63.958 9.903,63.964 10.966,63.998 cw(c11,63) 11.282,63.958 11.92,63.958 12.962,65 Conn640.3@13,65 13.025,65.025 15,65.025 TVS642.D2@16.475,65.025
ACT_ANEN: IC740.26 R752.1 | length 5.4
  Bottom Layer w0.3: R752.1@25.6,31.5 26.414,31.5 28.95,34.036 28.95,34.045 29.155,34.25 IC740.26@29.9,34.25
Boot0: IC700.94 R710.1 R712.2 | length 7.2
  Top Layer w0.2: IC700.94@43.9,57.75 43.9,56.8 43.3,56.2 43.3,55.4 43.8,54.9 44.6,54.9 45.3,54.2 45.6,54.2 45.9,53.9 v1(45.9,53.5)
  Bottom Layer w0.3: R710.1@45.4,53.5 v1(45.9,53.5) R712.2@46.4,53.5
CAN_N: Conn600.2 D600.K2 IC600.6 R606.2 | length 14.5
  Top Layer w0.097: Conn600.2@24.75,90.5 23.802,89.552 23.802,82.5 24.252,82.05 IC600.6@24.77,82.05
  Bottom Layer w0.097: D600.K2@23.9,92.161 23.9,92.036 23.802,91.939 23.802,91.448 Conn600.2@24.75,90.5 24.558,90.692 24.558,91.558 25,92 R606.2@25,93.05
CAN_P: Conn600.3 D600.K1 IC600.7 R605.1 | length 14.6
  Top Layer w0.097: IC600.7@22.23,82.05 22.748,82.05 23.198,82.5 23.198,89.552 Conn600.3@22.25,90.5
  Bottom Layer w0.097: R605.1@22,93 22,91.95 22.442,91.508 22.442,90.642 22.25,90.45 23.198,91.398 23.198,91.889 23.1,91.986 D600.K1@23.1,92.111 ; D600.K1@23.1,92.036 D600.K1@23.1,92.161
ChassisE: C749.1 C751.1 Conn740.Shield R302.2 | length 7.6
  Top Layer w0.5: R302.2@5,10.5 v1(5,11.5) ; v1(39,13.5) C749.1@39,15 v1(39,16.5)
  Bottom Layer w0.5: v3(28.95,13.8) 29.65,13.1 C751.1@30,13.1 ; v1(30,12.2) C751.1@30,13.1 ; v3(31.05,13.8) 30.35,13.1 C751.1@30,13.1
ChassisU: C669.1 Conn660.Shell1 Conn660.Shell2 Conn660.Shell3 Conn660.Shell4 R303.1 | length 2.8
  Top Layer w0.2: R303.1@95,10.5 v1(96,10.5)
  Bottom Layer w0.6: Conn660.Shell4@98.5,29.49 C669.1@98.5,31.3
CTS_N: Conn640.10 R648.2 R654.2 TVS640.D1 | length 19.6
  Top Layer w0.097: Conn640.10@11,59 10.302,59.698 9.648,59.698 7.85,57.9 7.85,57.405 9,56.255 13.041,56.255 15.813,59.027 16.792,59.027 16.848,59.084 16.848,59.148 R654.2@17.05,59.35
  Bottom Layer w0.097: TVS640.D1@7.02,59.02 R648.2@8.98,59.02 ; R648.2@9,59 Conn640.10@11,59
CTS_P: Conn640.8 R648.1 R652.2 TVS640.D2 | length 21.5
  Top Layer w0.097: Conn640.8@11,61 10.302,60.302 9.397,60.302 7.245,58.151 7.245,57.154 8.749,55.65 13.291,55.65 16.064,58.423 16.792,58.423 16.848,58.366 16.848,58.302 R652.2@17.05,58.1
  Bottom Layer w0.097: TVS640.D2@7.03,60.93 R648.1@8.97,60.93 ; R648.1@9.05,60.95 Conn640.8@10.95,60.95
Gcan: C601.1 C602.1 D600.A IC600.5 R601.1 R604.2 | length 8.7
  Top Layer w0.3: v1(26.55,82.75) 27.365,82.75 R601.1@27.365,85.695 ; v1(27.35,80) 27.355,80.005 27.355,82.045 IC600.5@27.36,82.05
  Bottom Layer w0.2: D600.A@23.5,93.141 C602.1@23.5,94.064
  Bottom Layer w0.3: R604.2@27.35,78 v1(27.35,80)
  other v1: 23.5,93.6
GND: C40_Sw1.1 C40_Sw2.1 C40_Sw3.1 C60_Bt1.1 C60_Bt2.1 C60_Bt3.1 C101.2 C102.2 C104.2 C105.2 C106.2 C107.2 C108.2 C109.2 C110.2 C111.2 C200.1 C201.1 C202.1 C203.1 C600.1 C620.1 C621.1 C622.1 C640.1 C641.1 C660.1 C661.1 C662.1 C663.1 C664.1 C665.2 C667.2 C668.2 C669.2 C700.1 C701.2 C702.2 C703.2 C704.1 C705.1 C706.1 C707.1 C708.1 C709.1 C710.2 C711.2 C712.1 C713.1 C714.2 C715.1 C716.2 C717.2 C718.2 C740.2 C741.2 C742.2 C743.2 C744.1 C745.2 C746.2 C747.2 C748.2 C749.2 C750.2 C752.2 C753.2 C754.2 Conn140.3 Conn141.2 Conn141.5 Conn200.2 Conn200.4 Conn200.6 Conn200.8 Conn200.10 Conn200.12 Conn200.14 Conn200.16 Conn201.2 Conn201.4 Conn201.6 Conn201.8 Conn201.10 Conn201.12 Conn201.14 Conn201.16 Conn620.2 Conn620.5 Conn640.5 Conn640.6 Conn660.A1 Conn660.A12 Conn660.B1 Conn660.B12 Conn700.4 Conn700.6 Conn700.8 Conn700.10 Conn700.12 Conn700.14 Conn700.16 Conn700.18 Conn700.20 D103.K D661.A IC100.4-GND IC100.EP-GND IC101.4 IC101.8 IC101.EP IC200.11 IC200.12 IC200.13 IC201.11 IC201.12 IC201.13 IC600.4 IC620.15 IC640.4 IC641.4 IC660.1 IC661.LED- IC661.VSS IC662.3 IC662.13 IC662.EP IC700.10 IC700.20 IC700.27 IC700.74 IC700.99 IC740.15 IC740.19 IC740.35 IC740.36 IC740.47 IC741.GND Q80_LdG.S Q80_LdO.S Q80_LdR.S Q80_LdY.S R41_Sw1.2 R41_Sw2.2 R41_Sw3.2 R61_Bt1.2 R61_Bt2.2 R61_Bt3.2 R81_LdG.2 R81_LdO.2 R81_LdR.2 R81_LdY.2 R103.1 R104.2 R105.2 R110.2 R112.2 R300.2 R301.1 R604.1 R668.2 R683.2 R712.1 R713.1 R746.1 Sw700.B TVS620.Common TVS621.Common TVS640.Common TVS641.Common TVS642.Common TVS643.Common Xtal701.GND1 Xtal701.GND2 | length 102.1
  Top Layer w0.2: C203.1@45.4,20.5 v2(46.1,20.5) ; C202.1@45.4,22.5 v2(46.1,22.5) ; IC201.11@53.425,18.5 53.425,19.525 v1(53.9,20) ; IC201.12@54.075,18.5 v1(54.8,18.5) ; IC201.13@54.075,24.5 v1(54.8,24.5) ; C201.1@65.4,20.5 v2(66.1,20.5) ; C200.1@65.4,22.5 v2(66.1,22.5) ; v1(69.287,32.354) 69.334,32.402 69.902,32.402 IC100.4-GND@70,32.5 70.089,32.411 70.675,32.411 v1(70.723,32.363) ; v1(71.5,41.5) 71.51,41.51 71.51,42.474 R104.2@71.52,42.484 ; IC200.11@73.425,18.5 73.425,19.525 v1(73.9,20) ; IC200.12@74.075,18.5 v1(74.8,18.5) ; IC200.13@74.075,24.5 v1(74.8,24.5) ; v1(74.5,31) R103.1@75,31 ; C106.2@78.3,34.5 C107.2@79.3,34.5 ; D103.K@91,7.25 v2(92.061,7.249)
  Top Layer w0.25: v1(86,9) IC101.8@86,9.85 IC101.EP@86.85,9.85 ; IC101.EP@87.35,11.35 IC101.4@87.9,11.35
  Top Layer w0.3: v1(5,88.5) R300.2@5,89.5 v1(6,89.5) ; IC620.15@14.875,30.4 14.875,31.834 15,31.959 v1(15,32) C621.1@15,32.5 ; v1(24.45,36.6) IC741.GND@24.55,36.6 ; v1(24.45,61.9) IC641.4@25.695,61.9 ; v1(24.45,67.9) IC640.4@25.695,67.9 ; v1(26.55,72.25) IC600.4@27.365,72.25 ; v1(27.35,75) 27.355,74.995 27.355,72.955 IC600.4@27.36,72.95 ; C701.2@29.9,54.5 v1(29.9,55) C702.2@29.9,55.5 ; C714.2@30.046,48.354 30.046,48.495 30.371,48.82 30.371,48.971 v2(30.4,49) 30.933,49.533 Xtal701.GND1@30.933,49.841 30.933,50.371 30.429,50.875 30.429,50.946 v2(30.4,50.975) 30.371,51.004 30.371,51.18 30.046,51.505 C718.2@30.046,51.646 ; R81_LdG.2@30.15,62.5 Q80_LdG.S@31.1,62.5 ; C743.2@31.5,35 C748.2@32.5,35 ; v1(34,35) 34.006,34.994 34.492,34.994 C742.2@34.498,34.988 ; R81_LdY.2@34.85,62.5 Q80_LdY.S@35.8,62.5 ; IC700.20@39.15,46.5 39.725,46.5 v1(40.4,46.5) ; IC700.10@39.15,51.5 39.9,51.5 v1(40.4,52) ; R81_LdO.2@39.45,62.5 Q80_LdO.S@40.4,62.5 ; IC700.27@41.4,42.25 41.4,42.825 v1(41.4,43.5) ; v1(41.4,56.5) IC700.99@41.4,57.75 ; R81_LdR.2@43.95,62.5 Q80_LdR.S@44.9,62.5 ; C660.1@44,71.8 v1(45,71.8) ; R61_Bt3.2@49.5,62.5 v1(50,62.5) ; IC660.1@49.675,69.025 49.7,69.025 49.7,68.7 49.9,68.5 v1(50.5,68.5) C661.1@51.5,68.5 ; IC700.74@54.65,55.5 55.8,55.5 v1(56.3,56) ; v1(60,61.6) C60_Bt3.1@60,62.5 ; R61_Bt2.2@61.5,62.5 v1(62,62.5) ; C40_Sw1.1@66.4,53.3 v1(66.4,54.2) ; v1(72.1,61.6) C60_Bt2.1@72.1,62.5 ; R61_Bt1.2@73.5,62.5 v1(74,62.5) ; C40_Sw2.1@73.9,53.25 v1(73.9,54.2) ; C665.2@77.05,21.05 v1(78,22) C662.1@79,22 79,22.5 v1(78.5,23) ; v1(79,26.5) 79.029,26.471 79.029,26.426 79.48,25.975 IC662.13@79.69,25.975 ; R683.2@79,29 v1(79,29.5) ; C40_Sw3.1@81,53.25 v1(81,54.2) ; IC662.3@81.825,23.19 81.825,22.216 82,22.041 v1(82,22) ; C663.1@82,29 v1(83,29) ; v1(83.5,28) C664.1@84.5,28 ; v1(84,61.6) C60_Bt1.1@84,62.5 ; IC101.EP@86.85,9.85 v1(87,10) ; v1(87,11) IC101.EP@87.35,11.35 ; Conn660.A1@92.3,22.25 93.46,22.25 Conn660.B12@93.51,22.2 ; Conn660.A12@92.3,27.75 Conn660.B1@93.46,27.75 ; v1(95,88.5) R301.1@95,89.5
  Top Layer w0.5: v1(87.45,13.5) v1(87.45,15) ; v1(89.5,12.95) v1(91,12.95)
  Bottom Layer w0.3: TVS621.Common@3.5,24 v1(3.5,24.95) ; v1(3.5,29.05) TVS620.Common@3.5,30 ; TVS640.Common@5,59.95 v1(5,60.9) ; v1(5,65.05) TVS641.Common@5,66 ; C600.1@22.6,72.25 v1(23.65,72.25) ; C641.1@24.45,60 v1(24.45,60.85) ; C640.1@24.45,66 v1(24.45,66.85) ; C754.2@26.264,29.498 C752.2@27.364,29.498 ; v1(27.35,75) R604.1@27.35,77 ; v1(28.499,39.491) 28.54,39.491 28.781,39.25 IC740.36@29.9,39.25 ; v1(29.5,30.9) R746.1@29.5,31.5 ; v1(29.5,40) 29.9,39.6 IC740.36@29.9,39.25 ; v1(31.245,38.279) 30.774,38.75 IC740.35@29.9,38.75 IC740.36@29.9,39.25 ; C750.2@32.702,29.649 C753.2@33.6,29.65 ; v1(33.529,33.962) 33.529,33.922 33.75,33.701 IC740.19@33.75,32.4 ; IC740.15@35.75,32.4 v1@35.75,31.008 ; v1(40.4,52) 40.429,52.029 40.429,52.324 40.604,52.5 C704.1@41.4,52.5 v1(41.9,52.5) ; v1(41.4,43.5) C706.1@41.4,44.5 ; C715.1@41.4,54.5 v3(41.4,55.125) C708.1@41.4,55.5 v1(41.4,56.5) ; C700.1@42.4,50.5 v1(42.9,50.5) ; v1(42.9,45.5) C712.1@42.4,45.5 C713.1@42.4,46.5 ; v1(42.9,46.5) C713.1@42.4,46.5 ; v1(42.9,47.5) C705.1@42.4,47.5 ; v1(42.9,48.5) C711.2@42.4,48.5 C705.1@42.4,47.5 ; C710.2@44.4,47 v1(44.4,47.5) ; v1(48.644,49.006) 48.647,49.009 48.647,49.997 C703.2@48.65,50 ; C717.2@51.4,55 C709.1@51.4,56 ; C716.2@51.9,45.5 C707.1@52.9,45.5 ; D661.A@96.49,25 v1(97,25) ; v1@35.75,31.008 v1(35.751,31.007) ; C713.1@42.4,46.5 C705.1@42.4,47.5
  other v1: 87,9 87,12 41.9,15 83,17 18.35,20.5 13.85,22.5 88,23.5 81,24.5 82,24.5 81,25.5 82,25.5 88,26.5 26.816,29.479 33.152,29.649 94.5,30.9 94.5,31.9 72.079,33.755 73.464,33.753 78.8,34.5 32,35 72.073,34.993 73.434,35.008 27.8,35.4 77.3,36.5 32.5,37 12.9,37.5 36,38 71.45,38 73.6,38 27,38.1 34.45,38.5 35.755,39.129 23.322,39.441 71.45,39.5 73.6,39.5 42.9,39.6 41.4,40.3 36.246,42.008 54,42.4 12.9,43.5 44.4,44 56.7,44 52.4,45.5 16.5,48 23.3,48 33.9,50 47.4,52 47.4,53.5 51.4,55.5 23.55,58.15 45,59.1 43.5,61 30.65,62.5 35.35,62.5 39.95,62.5 44.45,62.5 23.6,64.15 41.4,86.5 96,89.5
  other v2: 51.9,40.1
LINK_AN0: IC740.28 R755.1 | length 5
  Bottom Layer w0.3: R755.1@25.6,33.5 27,33.5 27.95,34.45 27.95,34.459 28.741,35.25 28.75,35.25 IC740.28@29.9,35.25
NetC100_1: C100.1 D100.K IC100.2-BOOT | length 5.2
  Top Layer w0.2: C100.1@68,35 68.732,35 68.932,34.8 v1(69,34.8) 69.24,35.04 IC100.2-BOOT@70,35.04
  Layer 3 w0.2: v1(66,34.85) 66.025,34.825 68.975,34.825 v1(69,34.8)
NetC100_2: C100.2 IC100.1-SW L100.1 | length 5.3
  Top Layer w0.2: L100.1@66.5,36.5 67,36 C100.2@67,35
  Top Layer w0.5: L100.1@66.5,36.5 66.69,36.31 IC100.1-SW@70,36.31
NetC103_2: C103.2 IC100.5-FB R102.1 R103.2 | length 4.3
  Top Layer w0.2: IC100.5-FB@75.5,32.5 C103.2@77.3,32.5 R102.1@77.3,31.5 77.3,31.45 76.85,31 R103.2@76,31
NetC106_1: C106.1 IC100.6-COMP R107.2 | length 3.2
  Top Layer w0.2: IC100.6-COMP@75.5,33.77 76.27,33.77 ; R107.2@77.3,33.5 76.54,33.5 76.27,33.77 ; C106.1@77.3,34.5 77,34.5 76.27,33.77
NetC107_1: C107.1 R107.1 | length 1
  Top Layer w0.2: R107.1@78.3,33.5 C107.1@79.3,33.5
NetC112_2: C112.2 IC101.1 R109.1 R112.1 | length 3.7
  Top Layer w0.2: IC101.1@87.9,9.85 87.925,9.85 88,9.775 R112.1@88,9 88,8.3 88.3,8 R109.1@89,8 C112.2@90,8
NetC200_2: C200.2 IC200.23 IC200.24 R201.1 | length 3.9
  Top Layer w0.2: R201.1@64.4,23.5 C200.2@65.4,23.5 65.4,24 65.9,24.5 IC200.24@66.925,24.5 IC200.23@67.575,24.5
NetC201_2: C201.2 IC200.1 R200.2 R202.2 | length 4.2
  Top Layer w0.2: R200.2@64.4,18.5 R202.2@64.4,19.5 C201.2@65.4,19.5 65.4,19 65.9,18.5 IC200.1@66.925,18.5
NetC202_2: C202.2 IC201.23 IC201.24 R204.1 | length 3.9
  Top Layer w0.2: R204.1@44.4,23.5 C202.2@45.4,23.5 45.4,24 45.7,24.3 45.9,24.5 IC201.24@46.925,24.5 IC201.23@47.575,24.5
NetC203_2: C203.2 IC201.1 R203.2 R205.2 | length 4.2
  Top Layer w0.2: R203.2@44.4,18.5 R205.2@44.4,19.5 C203.2@45.4,19.5 45.4,19 45.9,18.5 IC201.1@46.925,18.5
NetC600_2: C600.2 IC600.1 R600.2 | length 4.1
  Top Layer w0.3: IC600.1@19.735,72.25 v1(20.55,72.25)
  Bottom Layer w0.3: v1(20.55,72.25) C600.2@21.6,72.25 R600.2@21.6,74.5
NetC602_2: C602.2 R605.2 R606.1 | length 3.1
  Bottom Layer w0.2: R605.2@22,94.95 22.114,95.064 C602.2@23.5,95.064 24.886,95.064 R606.1@25,94.95
NetC620_2: C620.2 IC620.2 | length 2.1
  Top Layer w0.2: C620.2@14.85,22.5 14.863,22.513 14.863,24.587 IC620.2@14.875,24.6
NetC621_2: C621.2 IC620.16 R620.2 | length 3.3
  Top Layer w0.2: R620.2@14,33.65 C621.2@14,32.5 14,31.15 14.225,30.925 IC620.16@14.225,30.4
NetC622_2: C622.2 IC620.6 | length 3
  Top Layer w0.2: IC620.6@17.475,24.6 17.5,24.575 17.5,23.55 18.35,22.7 C622.2@18.35,22
NetC623_1: C623.1 IC620.3 | length 3.6
  Top Layer w0.2: C623.1@14.85,21.5 15.3,21.5 15.525,21.725 IC620.3@15.525,24.6
NetC623_2: C623.2 IC620.1 | length 4.9
  Top Layer w0.2: C623.2@13.85,21.5 13.25,21.5 12.75,22 12.75,23.75 13.6,24.6 IC620.1@14.225,24.6
NetC624_1: C624.1 IC620.5 | length 2.4
  Top Layer w0.2: IC620.5@16.825,24.6 16.875,24.55 16.875,23.55 17.35,23.075 C624.1@17.35,22.4
NetC624_2: C624.2 IC620.4 | length 2.3
  Top Layer w0.2: IC620.4@16.175,24.6 16.175,23.425 16.35,23.25 C624.2@16.35,22.4
NetC701_1: C701.1 R708.1 Xtal700.1 | length 2.9
  Top Layer w0.3: C701.1@29.9,53.5 31.15,53.5 Xtal700.1@31.4,53.75 ; Xtal700.1@31.65,53.5 R708.1@32.9,53.5
NetC702_1: C702.1 R709.1 Xtal700.2 | length 2.9
  Top Layer w0.3: C702.1@29.9,56.5 31.15,56.5 Xtal700.2@31.4,56.25 ; Xtal700.2@31.65,56.5 R709.1@32.9,56.5
NetC714_1: C714.1 R716.2 Xtal701.1 | length 6.1
  Top Layer w0.2: C714.1@30.754,47.646 31.64,48.533 Xtal701.1@32.241,48.533 32.241,48.509 32.75,48 33.15,48 34.95,49.8 R716.2@35.5,49.8
NetC716_1: C716.1 IC700.49 | length 2.5
  Top Layer w0.2: v1(51.9,44) 52.4,43.5 IC700.49@52.4,42.25
  Bottom Layer w0.2: v1(51.9,44) C716.1@51.9,44.5